# Altium PCB LimeKEY-RPCM_1v1.PcbDoc (part 3 of 8) (continued)
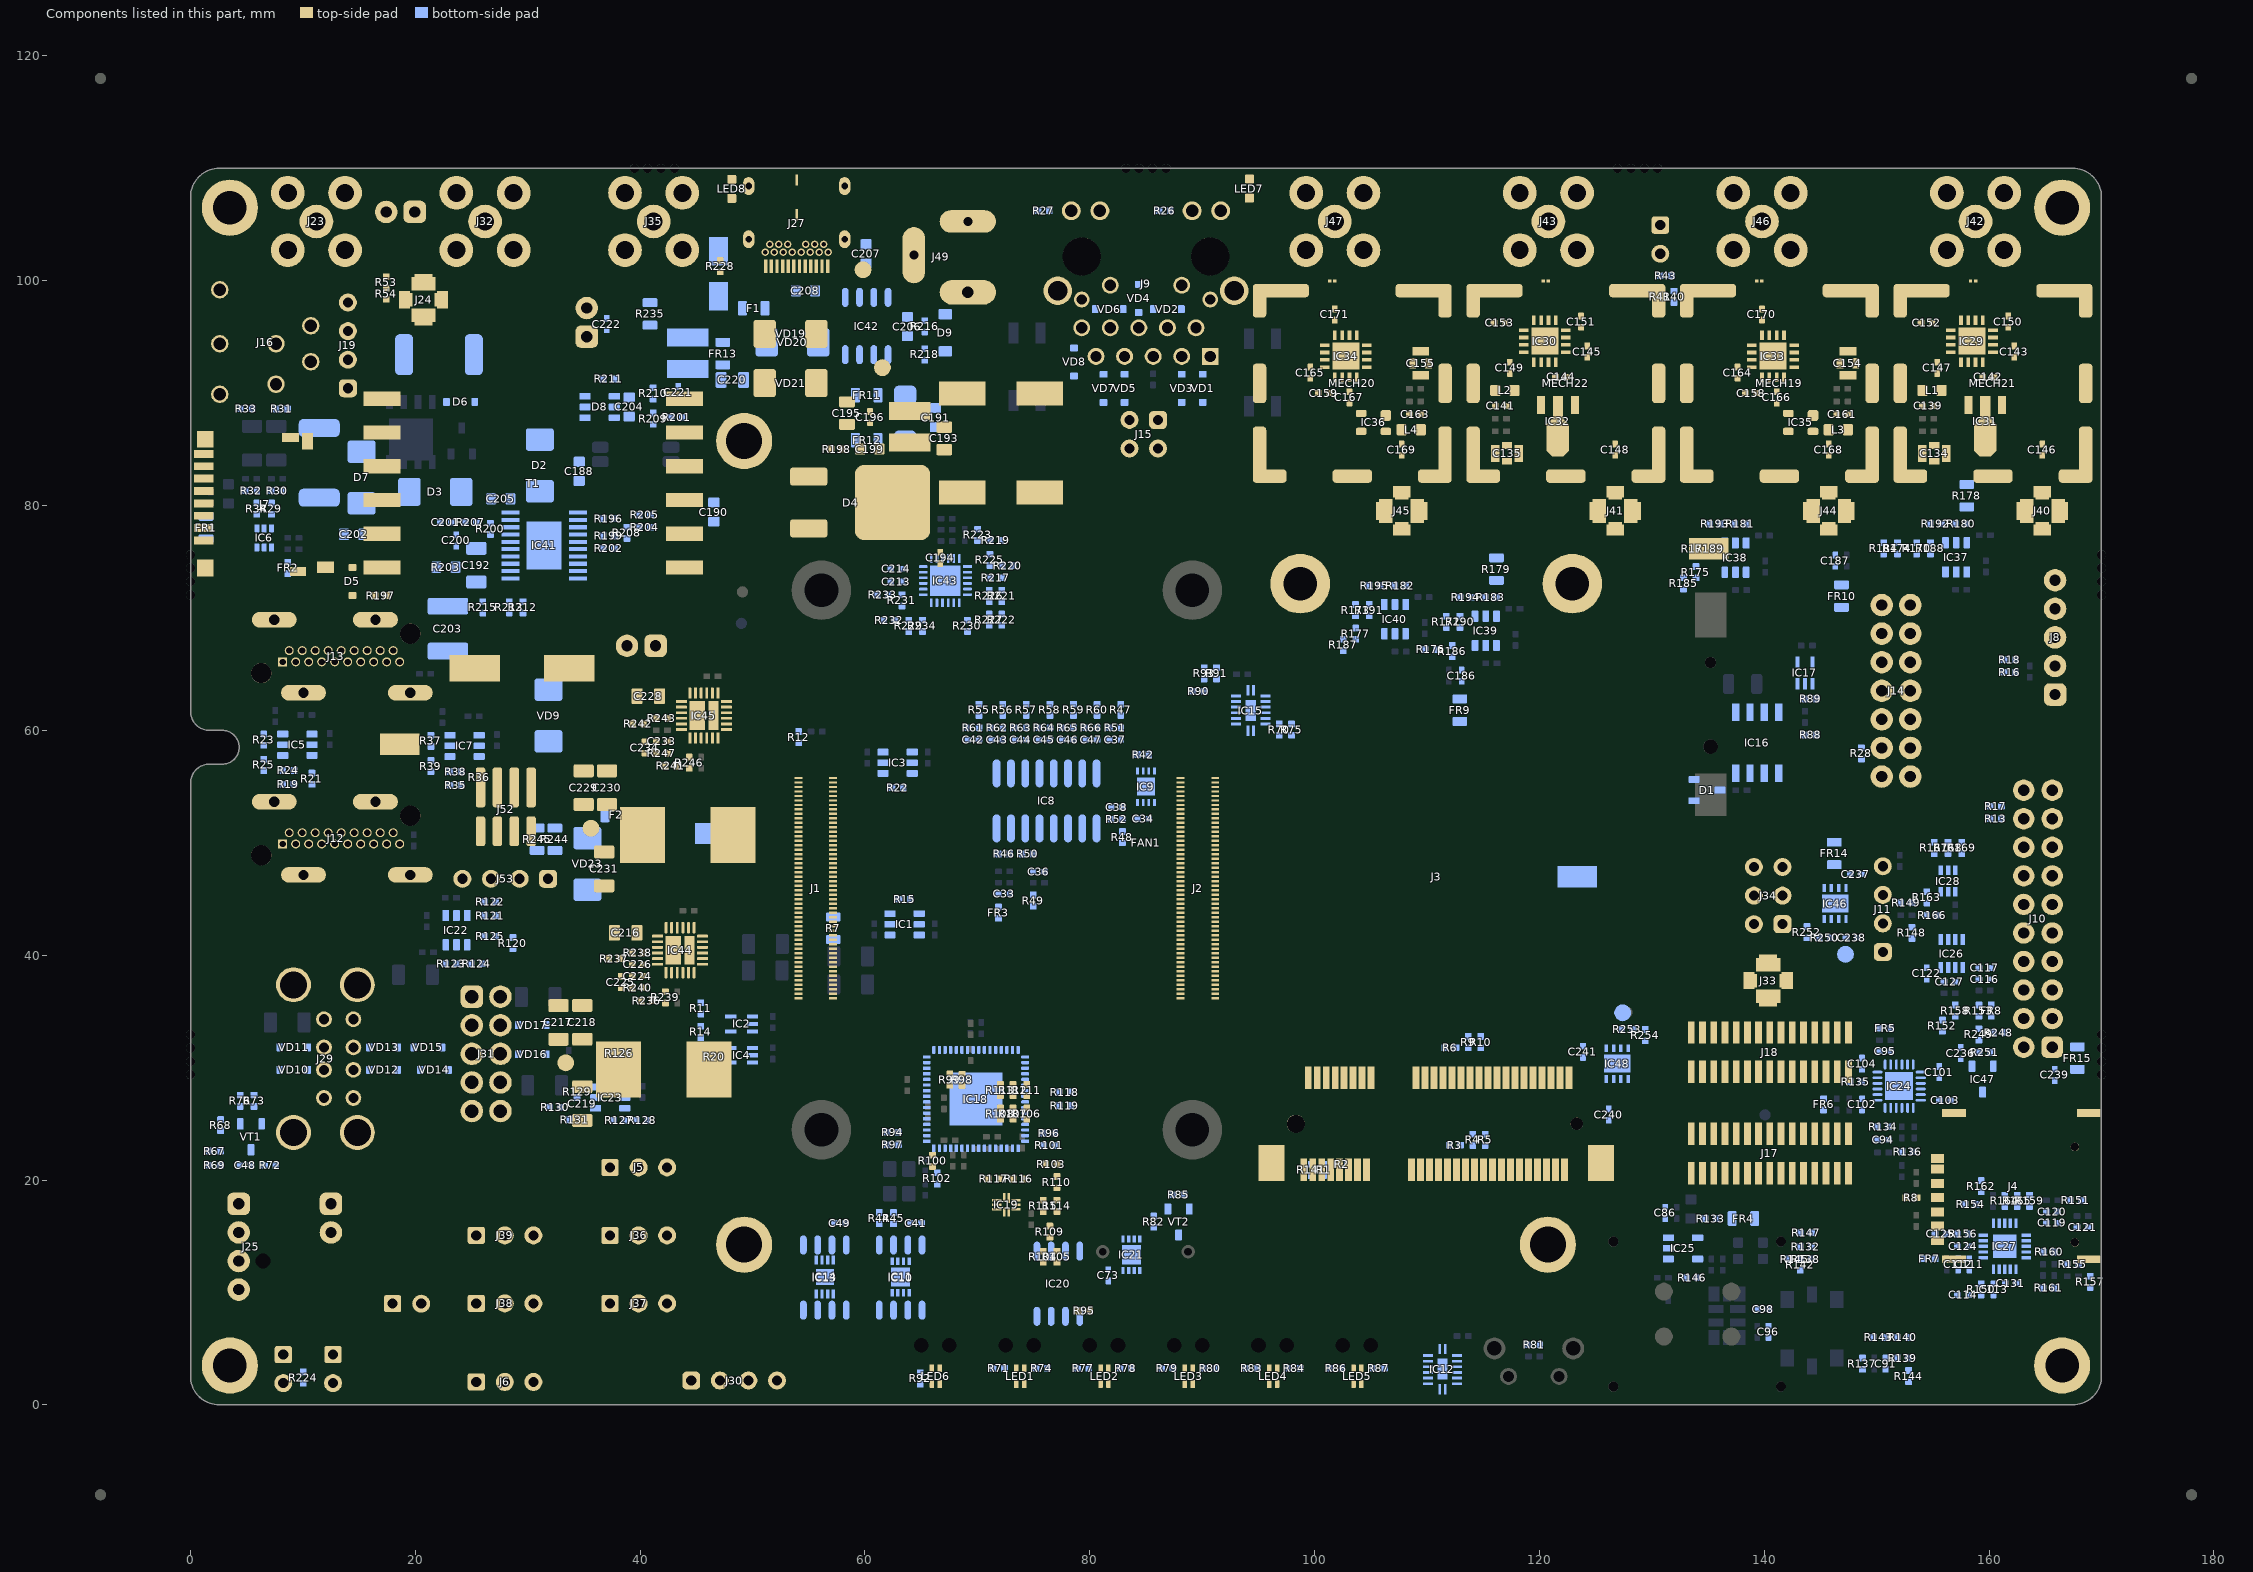
[diagram p7: the components of this part, seen from the top]
## Part data (continued)
J20 J21 J28 J48: library part Jumper, Color=Black, Manufacturer=3M, Manufacturer Part Number 1=961102-6404-AR, Supplier Part Number 1=3M9447-ND, Category="Connectors, Interconnects", Connector Type="Header, Unshrouded", Contact Finish=Gold, Contact Type="Male Pin", Mounting Type="Through Hole", Part Description="2 Positions Header, Unshrouded Connector 0.100\" (2.54mm) Through Hole Gold", Supplier 1=Digi-Key
  J20 J21: Assembly Info=NF
J22 J26 J50 J51: library part "Header 2X1 LOCK", Manufacturer=Molex, Manufacturer Part Number=22-11-2026, Supplier Part Number 1=WM19460-ND, ComponentLink1Description=https://datasheet.ciiva.com/5156/022045042-sd-206842-5156139.pdf?src-supplier=Mouser, ComponentLink1URL=https://datasheet.ciiva.com/5156/022045042-sd-206842-5156139.pdf?src-supplier=Mouser, ComponentLink2Description=https://datasheet.ciiva.com/30212/022232051-sd-30212109.pdf?src-supplier=Onlinecomponents.com, ComponentLink2URL=https://datasheet.ciiva.com/30212/022232051-sd-30212109.pdf?src-supplier=Onlinecomponents.com, Manufacturer 1=Molex, Manufacturer Part Number 1=22-11-2026, Part Description="Connector Header Through Hole 2 position 0.100\" (2.54mm)", RoHS=Yes, Stock 1=0, Supplier 1=Digi-Key
  J22: Assembly Info=NF
J23 J32 J35 J42 J43 J46 J47: library part RF_IF_connector, "CONN SMA JACK STR 50OHM EDGE MNT", Manufacturer=Linx, Manufacturer Part Number 1=CONSMA002-L-G, Supplier Part Number 1=CONSMA002-L-G-ND, Part Description="SMA Connector Receptacle, Female Socket 50Ohm Panel Mount, Through Hole, Right Angle Solder", Pricing 1="1=4.08, 25=3.67, 100=3.32, 250=3.25, 500=3, 1000=2.80001, 2000=2.5875 (USD)", Stock 1=815, Supplier 1=Digi-Key
J24 J33 J40 J41 J44 J45: library part RF_IF_connector, "CONN UMC RCPT STR 50 OHM SMD", Dielectric Material="Liquid Crystal Polymer (LCP)", Frequency - Max=6GHz, Housing Color=Silver, Manufacturer="Molex, LLC", Manufacturer Part Number 1=0734120110, Operating Temperature="-40°C ~ 90°C", Supplier Part Number 1=WM5587CT-ND, Voltage Rating=60V, Body Finish=Nickel, Body Material="Phosphor Bronze", Cable Group=-, Category="Connectors, Interconnects", Center Contact Material=Brass, Center Contact Plating=Gold, Connector Style="Ultra Miniature Coaxial", Connector Type="Jack, Male Pin", Contact Termination=Solder, Fastening Type=Snap-On, Features=-, Impedance="50 Ohm", Ingress Protection=-, Mounting Type="Surface Mount", Packaging="Cut Tape (CT)", Part Description="CONN UMC RCPT STR 50 OHM SMD", RoHS="RoHS Compliant", Shield Termination=Solder, Supplier 1=Digi-Key
J25: library part "Header 4X1 LOCK", Manufacturer=Molex, Manufacturer Part Number 1=47053-1000, Supplier Part Number 1=WM4330-ND, ComponentLink1Description=https://datasheet.ciiva.com/22683/1701278-22683428.pdf?src-supplier=Element14, ComponentLink1URL=https://datasheet.ciiva.com/22683/1701278-22683428.pdf?src-supplier=Element14, ComponentLink2Description=https://datasheet.ciiva.com/30226/191140470531000-pcb-headers-30226282.pdf?src-supplier=Onlinecomponents.com, ComponentLink2URL=https://datasheet.ciiva.com/30226/191140470531000-pcb-headers-30226282.pdf?src-supplier=Onlinecomponents.com, ComponentLink3Description=https://datasheet.ciiva.com/5153/0470531000-pcb-headers-146351-5153461.pdf?src-supplier=Mouser, ComponentLink3URL=https://datasheet.ciiva.com/5153/0470531000-pcb-headers-146351-5153461.pdf?src-supplier=Mouser, ComponentLink4Description=https://datasheet.ciiva.com/10090/0470531000-pcb-headers-10090525.pdf?src-supplier=Avnet, ComponentLink4URL=https://datasheet.ciiva.com/10090/0470531000-pcb-headers-10090525.pdf?src-supplier=Avnet, Manufacturer 1=Molex, Part Description="Connector Header Through Hole 4 position 0.100\" (2.54mm)", Pricing 1="1=0,56000, 10=0,47100, 100=0,36650, 1000=0,28797, 5000=0,25307, 10000=0,23561 (USD)", RoHS=Yes, Stock 1=76671, Supplier 1=Digi-Key
J27: library part DUAL_USB-C_632723100011, Manufacturer="Wurth Electronics", Manufacturer Part Number 1=632723100011, Supplier Part Number 1=732-9617-1-ND, ComponentLink1Description=http://www.alliedelec.com/m/d/e03b7b5d71e2d3e369c52d5c8eaca2b6.pdf?src-supplier=Allied+Electronics, ComponentLink1URL=http://www.alliedelec.com/m/d/e03b7b5d71e2d3e369c52d5c8eaca2b6.pdf?src-supplier=Allied+Electronics, ComponentLink2Description=http://www.jae.com/z-en/pdf_download_exec.cfm?param=SJ115995.pdf&src-supplier=Digi-Key, ComponentLink2URL=http://www.jae.com/z-en/pdf_download_exec.cfm?param=SJ115995.pdf&src-supplier=Digi-Key, ComponentLink3Description=https://www.mouser.com/ds/2/445/632723x00011-782157.pdf?src-supplier=Mouser, ComponentLink3URL=https://www.mouser.com/ds/2/445/632723x00011-782157.pdf?src-supplier=Mouser, ComponentLink4Description=https://katalog.we-online.de/em/datasheet/632723x00011.pdf?src-supplier=Digi-Key, ComponentLink4URL=https://katalog.we-online.de/em/datasheet/632723x00011.pdf?src-supplier=Digi-Key, Connector Type=USB, Gender=Receptacle, Mount="Surface Mount,Through Hole", Number of Contacts=24, Packaging="Tape and Reel", Part Description="USB - C (Type - C) USB 3.1 (USB 3.1 Gen 2, Superspeed+) Receptacle Connector 24 Position Surface Mount, Right Angle; Through Hole", Pricing 1="1=4,10000, 10=3,80000, 50=3,20000, 100=2,95000 (USD)", RoHS=Yes, Stock 1=1127, Supplier 1=Digi-Key
J29: library part USB_typeA_double_USBR-A-D-F-O-TH, Manufacturer=Samtec, Manufacturer Part Number 1=USBR-A-D-F-O-TH, Max Operating Temperature=85°C, Max Voltage Rating (AC)=30V, Min Operating Temperature=-50°C, Supplier Part Number 1=SAM10376-ND, Contact Material=Bronze, Contact Plating=Gold, Gender=Female, Housing Material=Thermoplastic, Mount="Through Hole", Number of Contacts=4, Number of Ports=1, Number of Terminals=4, Orientation="Right Angle", Packaging=Bulk, Part Description="USB - A USB 2.0 Receptacle Connector 8 Position Through Hole, Right Angle", Pricing 1="1=1.6, 10=1.448, 25=1.3592, 50=1.3002, 100=1.2411, 250=1.12292, 500=1.03426, 1000=0.8865, 2500=0.8274 (USD)", Radiation Hardening=No, Stock 1=2359, Supplier 1=Digi-Key, Termination=Solder
J31: Housing Color=Black, Manufacturer=Samtec, Manufacturer Part Number 1=TSW-105-07-G-D-009, Max Current Rating=7.6A, Max Operating Temperature=125°C, Max Voltage Rating (AC)=550V, Min Operating Temperature=-55°C, Supplier Part Number 1=TSW-105-07-G-D-009-ND, ComponentLink1Description=https://datasheet.ciiva.com/2944/702461003-sd-2944145.pdf?src-supplier=Digi-Key, ComponentLink1URL=https://datasheet.ciiva.com/2944/702461003-sd-2944145.pdf?src-supplier=Digi-Key, ComponentLink2Description=https://datasheet.ciiva.com/29948/702465002-sd-29948508.pdf?src-supplier=Avnet, ComponentLink2URL=https://datasheet.ciiva.com/29948/702465002-sd-29948508.pdf?src-supplier=Avnet, ComponentLink3Description=http://components.arrow.com/part/dataview/43869876S7787377N1004?src-supplier=Arrow+Electronics, ComponentLink3URL=http://components.arrow.com/part/dataview/43869876S7787377N1004?src-supplier=Arrow+Electronics, Contact Material=Bronze, Contact Plating=Gold, Depth=5.08mm, Gender=Male, Housing Material=Polyester, Length=12.7mm, Number of Rows=2, Orientation=Straight, Packaging=Bulk, Part Description="CONN HEADER VERT 10POS 2.54MM", Pitch=2.54mm, Pricing 1="1=2,02000, 10=1,75600, 100=1,56950, 500=1,30796, 1000=1,12110, 5000=0,99404, 10000=0,97162 (USD)", RoHS=Yes, RoHS Compliant=Yes, Stock 1=169, Supplier 1=Digi-Key, Termination=Solder
J34: "Header, 2-Pin, Dual row", Manufacturer="Adam Equipment", Manufacturer Part Number=PH2-06-UA, Supplier Part Number 1=2057-PH2-06-UA-ND, ComponentLink1Description=http://uk.rs-online.com/webdocs/1406/0900766b81406898.pdf, ComponentLink1URL=http://uk.rs-online.com/webdocs/1406/0900766b81406898.pdf, ComponentLink2Description=https://www.verical.com/server-webapp/html/getDatasheet?partID=483857, ComponentLink2URL=https://www.verical.com/server-webapp/html/getDatasheet?partID=483857, ComponentLink3Description=http://www.farnell.com/cad/112195.pdf, ComponentLink3URL=http://www.farnell.com/cad/112195.pdf, ComponentLink4Description=https://datasheet.ciiva.com/16479/page-292-295-16479745.pdf?src-supplier=Future+Electronics, ComponentLink4URL=https://datasheet.ciiva.com/16479/page-292-295-16479745.pdf?src-supplier=Future+Electronics, Lead Free="Lead Free", Manufacturer 1="Adam Equipment", Manufacturer Part Number 1=PH2-06-UA, Part Description="Connector Header Through Hole 6 position 0.100\" (2.54mm)", Pricing 1="1=0,13000, 10=0,10400, 100=0,07640, 500=0,06326, 1000=0,05535, 5000=0,04744, 10000=0,04612 (USD)", RoHS=Yes, Stock 1=59749, Supplier 1=Digi-Key
J49: "Power Connector, THT, 2.1mm ID, 5.5mm OD", Color=Black, Current Rating=2.5A, Flammability Rating="UL94 V-0", Insulation Resistance=50MR, Manufacturer=CUI, Manufacturer Part Number 1=PJ-002A, Max Operating Temperature=85°C, Min Operating Temperature=-25°C, Package Quantity=500, Supplier Part Number 1=CP-002A-ND, Voltage Rating=24V, ComponentLink1Description=https://www.verical.com/server-webapp/html/getDatasheet?partID=110865, ComponentLink1URL=https://www.verical.com/server-webapp/html/getDatasheet?partID=110865, ComponentLink2Description=http://www.switchcraft.com/Documents/Jack_Schematics.pdf, ComponentLink2URL=http://www.switchcraft.com/Documents/Jack_Schematics.pdf, Connector Type=Jack, Contact Gender=Male, Contact Material="Copper,Copper Alloy", Contact Plating=Nickel,Tin, Diameter=2.1mm, Gender=Male, Housing Color=Black, Housing Material=Thermoplastic, Lead Free="Lead Free", Mount="Through Hole", Number of Conductors=2, Orientation=Horizontal, Packaging=Bulk, Part Description="Power Barrel Connector Jack 2.10mm ID (0.083\"), 5.50mm OD (0.217\") Through Hole, Right Angle", Pricing 1="1 = 0,60000, 10 = 0,55800, 25 = 0,50240, 50 = 0,44640, 100 = 0,42780, 250 = 0,39060, 500 = 0,37200, 1000 = 0,30690, 2500 = 0,27900 (USD)", RoHS=Yes, Shielding=Unshielded, Stock 1=181439, Supplier 1=Digi-Key, Termination="Through Hole"
J52: library part Header4P, "Header, 4-pin", Manufacturer=Molex, Manufacturer Part Number=0874370443, Supplier Part Number 1=WM7664CT-ND, ComponentLink1Description=http://katalog.we-online.de/em/datasheet/6130xx11121.pdf, ComponentLink1URL=http://katalog.we-online.de/em/datasheet/6130xx11121.pdf, ComponentLink2Description=https://datasheet.ciiva.com/6813/874370443-sd-6813714.pdf?src-supplier=Digi-Key, ComponentLink2URL=https://datasheet.ciiva.com/6813/874370443-sd-6813714.pdf?src-supplier=Digi-Key, ComponentLink3Description=https://datasheet.ciiva.com/3935/197970874370443-pcb-headers-3935892.pdf?src-supplier=Arrow+Electronics, ComponentLink3URL=https://datasheet.ciiva.com/3935/197970874370443-pcb-headers-3935892.pdf?src-supplier=Arrow+Electronics, ComponentLink4Description=https://datasheet.ciiva.com/6813/874370443-sd-6813717.pdf?src-supplier=Digi-Key, ComponentLink4URL=https://datasheet.ciiva.com/6813/874370443-sd-6813717.pdf?src-supplier=Digi-Key, ComponentLink5Description=https://datasheet.ciiva.com/6813/874370443-sd-6813721.pdf?src-supplier=Digi-Key, ComponentLink5URL=https://datasheet.ciiva.com/6813/874370443-sd-6813721.pdf?src-supplier=Digi-Key, Manufacturer 1=Molex, Manufacturer Part Number 1=0874370443, Part Description="Connector Header Surface Mount 4 position 0.059\" (1.50mm)", Pricing 1="1=0,72000, 10=0,61200, 100=0,47560 (USD)", RoHS=Yes, Stock 1=30818, Supplier 1=Digi-Key
L1 L2 L3 L4: library part Inductor, Case/Package=0603, Case Code (Metric)=1608, Current=400mA, Current Rating=500mA, DC Resistance (DCR)=170mR, Inductance=22nH, Inductance Tolerance=2%, Manufacturer=Murata, Manufacturer Part Number 1=LQW18AN22NG00D, Max Operating Temperature=125°C, Min Operating Temperature=-55°C, Package Quantity=4000, Resistor Type=Wirewound, Self Resonant Frequency=4.6GHz, Supplier Part Number 1=490-6874-1-ND, Test Frequency=100MHz, Case Code (Imperial)=0603, ComponentLink1Description=http://productfinder.pulseeng.com/products/datasheets/WC701.pdf, ComponentLink1URL=http://productfinder.pulseeng.com/products/datasheets/WC701.pdf, ComponentLink2Description=https://datasheet.ciiva.com/11799/0900766b80a002db-11799279.pdf?src-supplier=RSComponents, ComponentLink2URL=https://datasheet.ciiva.com/11799/0900766b80a002db-11799279.pdf?src-supplier=RSComponents, ComponentLink3Description=https://datasheet.ciiva.com/14124/qhlqw18a-data-e-14124619.pdf?src-supplier=Distrelec, ComponentLink3URL=https://datasheet.ciiva.com/14124/qhlqw18a-data-e-14124619.pdf?src-supplier=Distrelec, ComponentLink4Description=https://datasheet.ciiva.com/6705/l0075s0080lqw18a-00-6705627.pdf?src-supplier=Digi-Key, ComponentLink4URL=https://datasheet.ciiva.com/6705/l0075s0080lqw18a-00-6705627.pdf?src-supplier=Digi-Key, ComponentLink5Description=https://datasheet.ciiva.com/6705/l0075s0080lqw18a-00-6705626.pdf?src-supplier=Digi-Key, ComponentLink5URL=https://datasheet.ciiva.com/6705/l0075s0080lqw18a-00-6705626.pdf?src-supplier=Digi-Key, ComponentLink6Description=https://datasheet.ciiva.com/6705/l0075s0080lqw18a-00-6705631.pdf?src-supplier=Digi-Key, ComponentLink6URL=https://datasheet.ciiva.com/6705/l0075s0080lqw18a-00-6705631.pdf?src-supplier=Digi-Key, ComponentLink7Description=https://datasheet.ciiva.com/4977/product-4977173.pdf?src-supplier=Mouser, ComponentLink7URL=https://datasheet.ciiva.com/4977/product-4977173.pdf?src-supplier=Mouser, ComponentLink8Description=https://datasheet.ciiva.com/46391/1487239-46391853.pdf?src-supplier=Element14, ComponentLink8URL=https://datasheet.ciiva.com/46391/1487239-46391853.pdf?src-supplier=Element14, ComponentLink9Description=https://datasheet.ciiva.com/8507/l0075s0080lqw18a-00-8507496.pdf?src-supplier=Avnet, ComponentLink9URL=https://datasheet.ciiva.com/8507/l0075s0080lqw18a-00-8507496.pdf?src-supplier=Avnet, Core Material=Non-Magnetic, DC Current=500mA, Depth=1mm, Height=0.8mm, Height - Seated (Max)=0.039inch, Lead Free="Lead Free", Length=1.6mm, Max DC Current=500mA, Military Standard=Not, Mount="Surface Mount", Number of Pins=2, Packaging="Tape and Reel", Part Description="Fixed Inductors 22 NH 2%", Pricing 1="1=0,18000, 10=0,16300, 25=0,14520, 50=0,12340, 100=0,10890, 250=0,09984, 500=0,09076, 1000=0,07623 (USD)", Q Factor=40, Rated Current-Max=500mA, REACH SVHC="No SVHC", RoHS=Yes, RoHS Compliant=Yes, Series=LQW18A_00, Series Resistance=170mR, Shielding=Unshielded, Stock 1=60315, Supplier 1=Digi-Key, Termination=SMD/SMT, Tolerance=2%, Weight=0.000106oz, Width=0.8mm
L5 L6: library part Inductor_0603, Case/Package=Nonstandard, Current Rating=3.2A, DC Resistance (DCR)=32.4mR, Inductance=1uH, Inductance Tolerance=30%, Manufacturer="Taiyo Yuden", Manufacturer Part Number 1=NRS4018T1R0NDGJ, Max DC Current=4A, Max Operating Temperature=125°C, Min Operating Temperature=-25°C, Package Quantity=3500, Resistor Type=Wirewound, Self Resonant Frequency=90MHz, Supplier Part Number 1=587-2888-1-ND, Test Frequency=100kHz, ComponentLink1Description=https://www.yuden.co.jp/productdata/catalog/en/wound04_e.pdf, ComponentLink1URL=https://www.yuden.co.jp/productdata/catalog/en/wound04_e.pdf, ComponentLink2Description=http://uk.rs-online.com/webdocs/10b3/0900766b810b3cd2.pdf, ComponentLink2URL=http://uk.rs-online.com/webdocs/10b3/0900766b810b3cd2.pdf, ComponentLink3Description=https://datasheet.ciiva.com/1043/nrs4018t1r0ndgj-ss-1043587.pdf?src-supplier=Digi-Key, ComponentLink3URL=https://datasheet.ciiva.com/1043/nrs4018t1r0ndgj-ss-1043587.pdf?src-supplier=Digi-Key, ComponentLink4Description=https://datasheet.ciiva.com/25607/0900766b810b3cd2-25607942.pdf?src-supplier=RSComponents, ComponentLink4URL=https://datasheet.ciiva.com/25607/0900766b810b3cd2-25607942.pdf?src-supplier=RSComponents, ComponentLink5Description=https://datasheet.ciiva.com/8504/nrs4018t1r0ndgj-ss-8504305.pdf?src-supplier=Avnet, ComponentLink5URL=https://datasheet.ciiva.com/8504/nrs4018t1r0ndgj-ss-8504305.pdf?src-supplier=Avnet, Core Material=Ferrite, Depth=4.2mm, Halogen Free="Halogen Free", Height=1.8mm, Height - Seated (Max)=0.071inch, Lead Free="Lead Free", Lead Pitch=2.8mm, Length=4mm, Mount="Surface Mount", Number of Pins=2, Packaging="Cut Tape", Part Description="1 µH Shielded Drum Core, Wirewound Inductor 3.2 A 32.4mOhm Max Nonstandard", Pricing 1="1=0,27000, 10=0,23800, 25=0,20840, 50=0,17860, 100=0,16370, 250=0,14884, 500=0,13990, 1000=0,10716 (USD)", Radiation Hardening=No, REACH SVHC=Unknown, RMS Current (Irms)=3.2A, RoHS=Yes, RoHS Compliant=Yes, Saturation Current=4A, Series=NRS, Shielding=Shielded, Stock 1=277625, Supplier 1=Digi-Key, Termination=SMD/SMT, Tolerance=30%, Width=0.157inch
L7: library part Inductor_0603, Current - Saturation=25.6A, Current Rating=12A, DC Resistance (DCR)="9 mOhm Max", Frequency - Self Resonant=-, Frequency - Test=100kHz, Manufacturer="Vishay Dale", Manufacturer Part Number 1=IHLP4040DZER2R2M01, Operating Temperature="-55°C ~ 125°C", Package / Case=Nonstandard, Supplier Part Number 1=541-1299-1-ND, Tolerance=±20%, Category="Inductors, Coils, Chokes", Height - Seated (Max)="0.158\" (4.00mm)", Inductance=2.2µH, Material - Core=-, Mounting Type="Surface Mount", Packaging="Cut Tape (CT)", Part Description="2.2µH Shielded Molded Inductor 12A 9 mOhm Max Nonstandard", Q @ Freq=-, RoHS="RoHS Compliant", Shielding=Shielded, Size / Dimension="0.430\" L x 0.405\" W (10.92mm x 10.30mm)", Supplier 1=Digi-Key, Supplier Device Package=-, Type=Molded
L8: library part Inductor_0603, Current - Saturation=18.6A, Current Rating=10A, DC Resistance (DCR)="14.4 mOhm Max", Frequency - Self Resonant=-, Frequency - Test=100kHz, Manufacturer="Vishay Dale", Manufacturer Part Number 1=IHLP4040DZER3R3M01, Operating Temperature="-55°C ~ 125°C", Package / Case=Nonstandard, Supplier Part Number 1=541-1298-1-ND, Tolerance=±20%, Category="Inductors, Coils, Chokes", Height - Seated (Max)="0.158\" (4.00mm)", Inductance=3.3µH, Material - Core=-, Mounting Type="Surface Mount", Packaging="Cut Tape (CT)", Part Description="3.3µH Shielded Molded Inductor 10A 14.4 mOhm Max Nonstandard", Q @ Freq=-, RoHS="RoHS Compliant", Shielding=Shielded, Size / Dimension="0.430\" L x 0.405\" W (10.92mm x 10.30mm)", Supplier 1=Digi-Key, Supplier Device Package=-, Type=Molded
LED1 LED2 LED3 LED4 LED5 LED6: library part LED_green_red_SMD, Color="Green, Red", Current - Test=20mA, Lens Color=White, Manufacturer="Avago Technologies US Inc.", Manufacturer Part Number 1=HSMF-C165, Millicandela Rating="15mcd Green, 10mcd Red", Package / Case="0603 (1608 Metric)", Supplier Part Number 1=516-1419-1-ND, Voltage - Forward (Vf) (Typ)="2.2V Green, 1.95V Red", Category=Optoelectronics, Height (Max)=0.50mm, Lens Style/Size="Rectangle with Flat Top, 1.60mm x 0.80mm", Lens Transparency=Diffused, Mounting Type="Surface Mount", Packaging="Cut Tape (CT)", Part Description="LED GREEN/RED DIFFUSED 0603 SMD", RoHS="RoHS Compliant", Size / Dimension="1.60mm L x 0.80mm W", Supplier 1=Digi-Key, Viewing Angle=120°, Wavelength - Dominant="572nm Green, 621nm Red", Wavelength - Peak="570nm Green, 636nm Red"
LED7: Color=Green, Current - Test=20mA, Manufacturer="Avago Technologies US Inc.", Manufacturer Part Number 1=HSMG-C190, Package / Case="0603 (1608 Metric)", Supplier Part Number 1=516-1425-2-ND, Voltage - Forward (Vf) (Typ)=2.2V, Assembly Info=NF, Category=Optoelectronics, Part Description="Green 572nm LED Indication - Discrete 2.2V 0603 (1608 Metric)", Supplier 1=Digi-Key
LED8: library part LED_green, Current - Test=20mA, Manufacturer="Avago Technologies US Inc.", Manufacturer Part Number 1=HSMG-C190, Package / Case="0603 (1608 Metric)", Supplier Part Number 1=516-1425-2-ND, Voltage - Forward (Vf) (Typ)=2.2V, Assembly Info=NF, Category=Optoelectronics, Color=Green, Part Description="Green 572nm LED Indication - Discrete 2.2V 0603 (1608 Metric)", Supplier 1=Digi-Key
MECH13 MECH14 MECH15 MECH16 MECH17 MECH18: library part LIGHT_PIPE_RIGHT_ANGLE_SLP3-200-100-F, Manufacturer=Bivar, Manufacturer Part Number 1=SLP3-200-100-F, Supplier Part Number 1=492-1865-ND, ComponentLink1Description=https://datasheet.ciiva.com/1535/1760190-1535004.pdf?src-supplier=Element14, ComponentLink1URL=https://datasheet.ciiva.com/1535/1760190-1535004.pdf?src-supplier=Element14, ComponentLink2Description=https://datasheet.ciiva.com/48976/70536303-48976693.pdf?src-supplier=Allied+Electronics, ComponentLink2URL=https://datasheet.ciiva.com/48976/70536303-48976693.pdf?src-supplier=Allied+Electronics, ComponentLink3Description=https://datasheet.ciiva.com/18526/slp3-xxx-xxx-x-18526910.pdf?src-supplier=Digi-Key, ComponentLink3URL=https://datasheet.ciiva.com/18526/slp3-xxx-xxx-x-18526910.pdf?src-supplier=Digi-Key, Part Description="Light Pipe Single Clear Rigid Board Mount, Press Fit, Right Angle", Pricing 1="1=0,70000, 10=0,45900, 100=0,30340, 1000=0,23424, 2000=0,21167, 5000=0,19755, 10000=0,19050, 25000=0,18768 (USD)", RoHS=Yes, Stock 1=11458, Supplier 1=Digi-Key
MECH19 MECH20 MECH21 MECH22: library part RF_SHIELD_FRAME_16P5x16P5_2118716-2, Manufacturer="TE Connectivity", Manufacturer Part Number 1=2118716-2, Supplier Part Number 1=A126152CT-ND, ComponentLink1Description=https://www.te.com/commerce/DocumentDelivery/DDEController?Action=srchrtrv&DocNm=2118716&DocType=Customer+Drawing&DocLang=English&src-supplier=Digi-Key, ComponentLink1URL=https://www.te.com/commerce/DocumentDelivery/DDEController?Action=srchrtrv&DocNm=2118716&DocType=Customer+Drawing&DocLang=English&src-supplier=Digi-Key, Part Description="RF Shield Frame 0.650\" (16.50mm) X 0.650\" (16.50mm) Surface Mount", Pricing 1="1=0,93000, 10=0,81600, 25=0,76680, 100=0,62570, 250=0,58120 (USD)", RoHS=Yes, Stock 1=26553, Supplier 1=Digi-Key
MECH23 MECH24 MECH25 MECH26: library part RF_SHIELD_COVER_16P9x16P9_2118715-2, Manufacturer="TE Connectivity", Manufacturer Part Number 1=2118715-2, Supplier Part Number 1=A126120-ND, ComponentLink1Description=https://www.te.com/commerce/DocumentDelivery/DDEController?Action=srchrtrv&DocNm=2118716&DocType=Customer+Drawing&DocLang=English&src-supplier=Digi-Key, ComponentLink1URL=https://www.te.com/commerce/DocumentDelivery/DDEController?Action=srchrtrv&DocNm=2118716&DocType=Customer+Drawing&DocLang=English&src-supplier=Digi-Key, ComponentLink2Description=https://www.te.com/commerce/DocumentDelivery/DDEController?Action=srchrtrv&DocNm=2118715&DocType=Customer+Drawing&DocLang=English&src-supplier=Digi-Key, ComponentLink2URL=https://www.te.com/commerce/DocumentDelivery/DDEController?Action=srchrtrv&DocNm=2118715&DocType=Customer+Drawing&DocLang=English&src-supplier=Digi-Key, Part Description="RF Shield Cover 0.665\" (16.90mm) X 0.665\" (16.90mm) Vented Surface Mount", Pricing 1="1=1,44000, 10=1,28900, 25=1,22400, 100=1,00530, 250=0,93972, 500=0,83046, 1000=0,65562, 2500=0,61191, 5000=0,58132 (USD)", RoHS=Yes, Stock 1=58094, Supplier 1=Digi-Key
MECH30 MECH31 MECH32 MECH33: library part "STANDOFF_M-F_THREADED_M3x8x10mm_HEX_5mm dia", "STANDOFF M/F MET 5MM HEX 10MM L", Colour=natural, Manufacturer=FIX&FASTEN, Manufacturer Part Number 1=FIX-MAE-5TV, Category="Plastic Pegs", Internal thread=M3, Material=polyamide, MinAmount=10, Multiples=10, Panel cutout diameter=3mm, Part Description="PCB distance; polyamide; L:5mm; Colour: natural; ¨cutout:3mm", Price Type=NET, Spacer length=5mm, Spanner size=5.5mm, SuppliedAmount=1000, Supplier 1=TME, Supplier Part Number 1=FIX-MAE-5TV, Thread pitch=0,5, Type of spacer="PCB distance", Unit=pcs, Weight=0.145
R1 R2 R3 R4 R5 R6 R8 R9 R10 R14 R15 R16 R18 R19 R20 R23 R28 R35 R37 R40 R41 R49 R53 R54 R67 R68 R69 R72 R73 R76 R82 R91 R93 R94 R97 R99 R104 R105 R109 R110 R116 R117 R118 R119 R120 R121 R122 R123 R125 R126 R127 R128 R129 R131 R132 R133 R134 R135 R137 R138 R139 R140 R141 R142 R144 R145 R146 R147 R149 R152 R157 R170 R171 R172 R173 R180 R181 R182 R183 R207 R232 R233 R249 R251: library part Res_0402, Manufacturer=Yageo, Manufacturer Part Number 1=RC0402JR-070RL, Operating Temperature="-55°C ~ 155°C", Package / Case="0402 (1005 Metric)", Power (Watts)="0.063W, 1/16W", Resistance (Ohms)=0.0, Supplier Device Package=0402, Supplier Part Number 1=311-0.0JRTR-ND, Temperature Coefficient=-, Tolerance=Jumper, Category=Resistors, Composition="Thick Film", Features="Moisture Resistant", Height="0.016\" (0.40mm)", Number of Terminations=2, Packaging="Tape & Reel (TR)", Part Description="RES SMD 0.0OHM JUMPER 1/16W 0402", RoHS="RoHS Compliant", Size / Dimension="0.039\" L x 0.020\" W (1.00mm x 0.50mm)", Supplier 1=Digi-Key
  R1 R3 R6 R8 R9 R10 R14 R15 R16 R19 R20 R23 R28 R35 R37 R41 R49 R53 R67 R69 R72 R76 R82 R93 R104 R109 R116 R117 R120 R121 R123 R126 R127 R129 R137 R138 R139 R140 R142 R144 R145 R146 R147 R152 R170 R171 R172 R173 R180 R181 R182 R183 R249 R251: Assembly Info=NF
R11 R70 R75 R90 R174 R175 R176 R177 R184 R185 R186 R187 R238 R243: library part Res_0402, Case/Package=SMD/SMT, Manufacturer=Vishay, Manufacturer Part Number 1=CRCW0402100KFKEDC, Max Operating Temperature=155°C, Min Operating Temperature=-55°C, Power Rating=62.5mW, Resistance=100kR, Resistor Type="Thick Film", Supplier Part Number 1=541-3960-6-ND, Temperature Coefficient=100ppm/°C, Tolerance=1%, ComponentLink1Description=http://www.vishay.com/docs/28773/crcwce3.pdf?src-supplier=Digi-Key, ComponentLink1URL=http://www.vishay.com/docs/28773/crcwce3.pdf?src-supplier=Digi-Key, Contact Plating=Tin, Lead Free="Lead Free", Length=1mm, Mount="Surface Mount", Part Description="100 kOhms ±1% 0.063W, 1/16W Chip Resistor 0402 (1005 Metric) Thick Film", Pricing 1="1=0,10000, 10=0,03300, 100=0,01360, 1000=0,00610, 2500=0,00529, 5000=0,00437 (USD)", RoHS=Yes, RoHS Compliant=Yes, Stock 1=702107, Supplier 1=Digi-Key, Termination=Wraparound
  R75 R174 R175 R176 R177: Assembly Info=NF
R12 R21 R24 R36 R38 R42 R48 R50 R51 R52 R55 R56 R57 R58 R59 R60 R81 R95 R96 R98 R101 R106 R107 R108 R111 R112 R113 R158 R159 R160 R166 R188 R189 R190 R191 R216 R229 R230 R231 R234 R236: library part Res_0402, Manufacturer=Yageo, Manufacturer Part Number 1=RC0402FR-0710KL, Operating Temperature="-55°C ~ 155°C", Package / Case="0402 (1005 Metric)", Power (Watts)="0.063W, 1/16W", Resistance (Ohms)=10k, Supplier Device Package=0402, Supplier Part Number 1=311-10.0KLRTR-ND, Temperature Coefficient=±100ppm/°C, Tolerance=±1%, Category=Resistors, Composition="Thick Film", Features="Moisture Resistant", Height="0.016\" (0.40mm)", Number of Terminations=2, Packaging="Tape & Reel (TR)", Part Description="RES SMD 10K OHM 1% 1/16W 0402", RoHS="RoHS Compliant", Size / Dimension="0.039\" L x 0.020\" W (1.00mm x 0.50mm)", Supplier 1=Digi-Key
  R51 R52 R107 R111 R113 R166 R229 R231: Assembly Info=NF
R13 R17 R31 R33 R44 R45 R103 R114 R115 R215 R224 R228: library part Res_0402, Manufacturer="Stackpole Electronics Inc", Manufacturer Part Number 1=RMCF0402FT2K20, Operating Temperature="-55°C ~ 155°C", Package / Case="0402 (1005 Metric)", Power (Watts)="0.063W, 1/16W", Resistance (Ohms)=2.2k, Supplier Device Package=0402, Supplier Part Number 1=RMCF0402FT2K20CT-ND, Temperature Coefficient=±100ppm/°C, Tolerance=±1%, Category=Resistors, Composition="Thick Film", Features=-, Height="0.016\" (0.40mm)", Number of Terminations=2, Packaging="Cut Tape (CT)", Part Description="RES SMD 2.2K OHM 1% 1/16W 0402", RoHS="RoHS Compliant", Size / Dimension="0.039\" L x 0.020\" W (1.00mm x 0.50mm)", Supplier 1=Digi-Key
  R103 R215 R228: Assembly Info=NF
R22 R43 R85 R148 R154 R217 R223 R248 R253: library part Res_0402, Manufacturer="Stackpole Electronics Inc", Manufacturer Part Number 1=RMCF0402FT1K00, Operating Temperature="-55°C ~ 155°C", Package / Case="0402 (1005 Metric)", Power (Watts)="0.063W, 1/16W", Resistance (Ohms)=1k, Supplier Device Package=0402, Supplier Part Number 1=RMCF0402FT1K00TR-ND, Temperature Coefficient=±100ppm/°C, Tolerance=±1%, Category=Resistors, Composition="Thick Film", Height="0.016\" (0.40mm)", Number of Terminations=2, Part Description="RES SMD 1K OHM 1% 1/16W 0402", RoHS="RoHS Compliant", Size / Dimension="0.039\" L x 0.020\" W (1.00mm x 0.50mm)", Supplier 1=Digi-Key
  R22 R248: Assembly Info=NF, Features="Moisture Resistant", Packaging="Cut Tape (CT)"
  R43 R85 R217 R223: Features="Moisture Resistant", Packaging="Cut Tape (CT)"
  R148 R154 R253: Features=-, Packaging="Tape & Reel (TR)"
R25 R26 R27 R39 R124 R130 R155 R192 R193 R194 R195: library part Res_0402, Case/Package=0402, Case Code (Metric)=1005, Manufacturer=Yageo, Manufacturer Part Number 1=RC0402FR-07470RL, Max Operating Temperature=155°C, Max Power Dissipation=63mW, Min Operating Temperature=-55°C, Package Quantity=1, Power Rating=62.5mW, Resistance=470R, Resistance Tolerance=1%, Resistor Type="Thick Film", Supplier Part Number 1=311-470LRCT-ND, Temperature Coefficient=100ppm/°C, Voltage Rating=50V, Case Code (Imperial)=0402, Construction=Rectangular, Depth=0.5mm, Features="Moisture Resistant", Height=0.016inch, Lead Free="Lead Free", Length=1mm, Manufacturer 1=Yageo, Military Standard=Not, Number of Terminations=2, Packaging="Tape and Reel", Part Description="470 Ohms ±1% 0.063W, 1/16W Chip Resistor 0402 (1005 Metric) Moisture Resistant Thick Film", Pricing 1="1=0,10000, 10=0,01600, 100=0,00660, 1000=0,00299, 2500=0,00259, 5000=0,00214 (USD)", REACH SVHC=Unknown, RoHS=Yes, RoHS Compliant=Yes, Series=RC, Size Code=0402, Stock 1=1652476, Supplier 1=Digi-Key, Termination=SMD/SMT, Tolerance=1%, Width=0.02inch
R29 R34: library part Res_0402, Case/Package=0402, Case Code (Metric)=1005, Manufacturer=Yageo, Manufacturer Part Number 1=RC0402FR-07220RL, Max Operating Temperature=155°C, Max Power Dissipation=63mW, Min Operating Temperature=-55°C, Package Quantity=1, Power Rating=62.5mW, Resistance=220R, Resistance Tolerance=1%, Resistor Type="Thick Film", Supplier Part Number 1=311-220LRCT-ND, Temperature Coefficient=100ppm/°C, Voltage Rating=50V, Case Code (Imperial)=0402, ComponentLink1Description=https://datasheet.ciiva.com/11819/0900766b80c66297-11819466.pdf?src-supplier=RSComponents, ComponentLink1URL=https://datasheet.ciiva.com/11819/0900766b80c66297-11819466.pdf?src-supplier=RSComponents, ComponentLink2Description=https://datasheet.ciiva.com/2453/pyu-r-int-thick-7-2453461.pdf?src-supplier=Digi-Key, ComponentLink2URL=https://datasheet.ciiva.com/2453/pyu-r-int-thick-7-2453461.pdf?src-supplier=Digi-Key, ComponentLink3Description=https://datasheet.ciiva.com/2453/pyu-r-int-thick-7-2453462.pdf?src-supplier=Digi-Key, ComponentLink3URL=https://datasheet.ciiva.com/2453/pyu-r-int-thick-7-2453462.pdf?src-supplier=Digi-Key, ComponentLink4Description=https://datasheet.ciiva.com/2453/pyu-r-int-thick-7-2453460.pdf?src-supplier=Digi-Key, ComponentLink4URL=https://datasheet.ciiva.com/2453/pyu-r-int-thick-7-2453460.pdf?src-supplier=Digi-Key, ComponentLink5Description=https://datasheet.ciiva.com/16746/pyu-rc0402-51-rohs-l-6-r-16746831.pdf?src-supplier=Future+Electronics, ComponentLink5URL=https://datasheet.ciiva.com/16746/pyu-rc0402-51-rohs-l-6-r-16746831.pdf?src-supplier=Future+Electronics, Construction=Rectangular, Depth=0.5mm, Features="Moisture Resistant", Height=0.016inch, Lead Free="Lead Free", Length=1mm, Military Standard=Not, Number of Pins=2, Number of Terminations=2, Packaging="Tape and Reel", Part Description="220 Ohms ±1% 0.063W, 1/16W Chip Resistor 0402 (1005 Metric) Moisture Resistant Thick Film", Pricing 1="1=0,10000, 10=0,01500, 100=0,00610, 1000=0,00275, 2500=0,00239, 5000=0,00197 (USD)", REACH SVHC="No SVHC", RoHS=Yes, RoHS Compliant=Yes, Series=RC, Size Code=0402, Stock 1=2362142, Supplier 1=Digi-Key, Technology="THICK FILM", Termination=SMD/SMT, Tolerance=1%, Voltage Rating (DC)=50V, Width=0.02inch
R30 R32: library part Res_0402, Manufacturer="Stackpole Electronics Inc.", Manufacturer Part Number 1=RMCF0402FT100R, Operating Temperature="-55°C ~ 155°C", Package / Case="0402 (1005 Metric)", Power (Watts)="0.063W, 1/16W", Resistance (Ohms)=100, Supplier Device Package=0402, Supplier Part Number 1=RMCF0402FT100RDKR-ND, Temperature Coefficient=±100ppm/°C, Tolerance=±1%, Category=Resistors, Composition="Thick Film", Features=-, Height="0.016\" (0.40mm)", Number of Terminations=2, Packaging=Digi-Reel®, Part Description="RES SMD 100 OHM 1% 1/16W 0402", RoHS="RoHS Compliant", Size / Dimension="0.039\" L x 0.020\" W (1.00mm x 0.50mm)", Supplier 1=Digi-Key
R46 R153 R163 R246: library part Res_0402, Manufacturer="Vishay Dale", Manufacturer Part Number 1=CRCW04023K00FKED, Operating Temperature="-55°C ~ 155°C", Package / Case="0402 (1005 Metric)", Power (Watts)="0.063W, 1/16W", Resistance (Ohms)=3k, Supplier Part Number 1=541-3.00KLCT-ND, Temperature Coefficient=±100ppm/°C, Tolerance=±1%, Category=Resistors, Composition="Thick Film", Features="Automotive AEC-Q200", Height="0.016\" (0.40mm)", Number of Terminations=2, Packaging="Cut Tape (CT)", Part Description="RES SMD 3K OHM 1% 1/16W 0402", RoHS="RoHS Compliant", Size / Dimension="0.039\" L x 0.020\" W (1.00mm x 0.50mm)", Supplier 1=Digi-Key, Supplier Device Package="0402 (1005 Metric)"
  R163: Assembly Info=NF
R47 R209 R241: library part Res_0402, Manufacturer=Yageo, Manufacturer Part Number 1=RC0402FR-0722KL, Operating Temperature="-55°C ~ 155°C", Package / Case="0402 (1005 Metric)", Power (Watts)="0.063W, 1/16W", Resistance (Ohms)=22k, Supplier Device Package=0402, Supplier Part Number 1=311-22.0KLRCT-ND, Temperature Coefficient=±100ppm/°C, Tolerance=±1%, Category=Resistors, Composition="Thick Film", Features="Moisture Resistant", Height="0.016\" (0.40mm)", Number of Terminations=2, Packaging="Cut Tape (CT)", Part Description="RES SMD 22K OHM 1% 1/16W 0402", RoHS="RoHS Compliant", Size / Dimension="0.039\" L x 0.020\" W (1.00mm x 0.50mm)", Supplier 1=Digi-Key
R61 R62 R63 R64 R65 R66 R250: library part Res_0402, Manufacturer=Yageo, Manufacturer Part Number 1=RC0402FR-071K6L, Operating Temperature="-55°C ~ 155°C", Package / Case="0402 (1005 Metric)", Power (Watts)="0.063W, 1/16W", Supplier Device Package=0402, Supplier Part Number 1=YAG3045CT-ND, Temperature Coefficient=±100ppm/°C, Tolerance=±1%, Category=Resistors, Composition="Thick Film", Failure Rate=-, Features="Moisture Resistant", Height - Seated (Max)="0.016\" (0.40mm)", Packaging="Cut Tape (CT)", Part Description="1.6 kOhms ±1% 0.063W, 1/16W Chip Resistor 0402 (1005 Metric) Moisture Resistant Thick Film", Part Status=Active, RoHS="RoHS Compliant", Size / Dimension="0.039\" L x 0.020\" W (1.00mm x 0.50mm)", Supplier 1=Digi-Key
R71 R74 R77 R78 R79 R80 R83 R84 R86 R87 R92 R161: library part Res_0402, Case/Package=0402, Case Code (Metric)=1005, Manufacturer=Yageo, Manufacturer Part Number 1=RC0402FR-07330RL, Max Operating Temperature=155°C, Max Power Dissipation=63mW, Min Operating Temperature=-55°C, Package Quantity=1, Power Rating=62.5mW, Resistance=330R, Resistance Tolerance=1%, Resistor Type="Thick Film", Supplier Part Number 1=311-330LRCT-ND, Temperature Coefficient=100ppm/°C, Voltage Rating=50V, Case Code (Imperial)=0402, ComponentLink1Description=http://www.farnell.com/datasheets/2167052.pdf?src-supplier=Farnell, ComponentLink1URL=http://www.farnell.com/datasheets/2167052.pdf?src-supplier=Farnell, ComponentLink2Description=http://www.farnell.com/datasheets/2167052.pdf?src-supplier=Newark, ComponentLink2URL=http://www.farnell.com/datasheets/2167052.pdf?src-supplier=Newark, ComponentLink3Description=http://www.farnell.com/datasheets/1018594.pdf?src-supplier=Element14, ComponentLink3URL=http://www.farnell.com/datasheets/1018594.pdf?src-supplier=Element14, Construction=Rectangular, Depth=0.5mm, Features="Moisture Resistant", Height=0.016inch, Lead Free="Lead Free", Length=0.039inch, Military Standard=Not, Number of Terminations=2, Packaging="Tape and Reel", Part Description="330 Ohms ±1% 0.063W, 1/16W Chip Resistor 0402 (1005 Metric) Moisture Resistant Thick Film", Pricing 1="1=0,10000, 10=0,01500, 100=0,00610, 1000=0,00275, 2500=0,00239, 5000=0,00197 (USD)", REACH SVHC=Unknown, RoHS=Yes, RoHS Compliant=Yes, Series=RC, Size Code=0402, Stock 1=7298585, Supplier 1=Digi-Key, Technology="THICK FILM", Termination=SMD/SMT, Tolerance=1%, Width=0.02inch
R88 R89 R204: library part Res_0402, Manufacturer="TE Connectivity", Manufacturer Part Number 1=CRGCQ0402F470K, Supplier Part Number 1=A129659CT-ND, ComponentLink1Description=http://www.yageo.com/documents/recent/PYu-RC_Group_51_RoHS_L_9.pdf, ComponentLink1URL=http://www.yageo.com/documents/recent/PYu-RC_Group_51_RoHS_L_9.pdf, ComponentLink2Description=http://www.yageo.com/documents/recent/PYu-RC_Group_51_RoHS_L_10.pdf, ComponentLink2URL=http://www.yageo.com/documents/recent/PYu-RC_Group_51_RoHS_L_10.pdf, ComponentLink3Description=http://www.mouser.com/ds/2/447/PYu-RC0402_51_RoHS_L_6_r-8721.pdf, ComponentLink3URL=http://www.mouser.com/ds/2/447/PYu-RC0402_51_RoHS_L_6_r-8721.pdf, ComponentLink4Description=http://www.yageo.com/documents/recent/PYu-RC0402_51_RoHS_L_6.pdf, ComponentLink4URL=http://www.yageo.com/documents/recent/PYu-RC0402_51_RoHS_L_6.pdf, ComponentLink5Description=http://www.yageo.com/documents/recent/PYu-RC0402_51_RoHS_L_6_r.pdf, ComponentLink5URL=http://www.yageo.com/documents/recent/PYu-RC0402_51_RoHS_L_6_r.pdf, ComponentLink6Description=https://www.te.com/commerce/DocumentDelivery/DDEController?Action=srchrtrv&DocNm=1773204-3&DocType=DS&DocLang=English&src-supplier=Digi-Key, ComponentLink6URL=https://www.te.com/commerce/DocumentDelivery/DDEController?Action=srchrtrv&DocNm=1773204-3&DocType=DS&DocLang=English&src-supplier=Digi-Key, ComponentLink7Description=https://www.te.com/commerce/DocumentDelivery/DDEController?Action=srchrtrv&amp;DocNm=1773204-3&amp;DocType=DS&amp;DocLang=English&src-supplier=Digi-Key, ComponentLink7URL=https://www.te.com/commerce/DocumentDelivery/DDEController?Action=srchrtrv&amp;DocNm=1773204-3&amp;DocType=DS&amp;DocLang=English&src-supplier=Digi-Key, ComponentLink8Description=https://4donline.ihs.com/images/VipMasterIC/IC/TYEL/TYEL-S-A0004929575/TYEL-S-A0004929575-1.pdf?hkey=52A5661711E402568146F3353EA87419&src-supplier=Newark, ComponentLink8URL=https://4donline.ihs.com/images/VipMasterIC/IC/TYEL/TYEL-S-A0004929575/TYEL-S-A0004929575-1.pdf?hkey=52A5661711E402568146F3353EA87419&src-supplier=Newark, ComponentLink9Description=https://4donline.ihs.com/images/VipMasterIC/IC/TYEL/TYEL-S-A0004929575/TYEL-S-A0004929575-1.pdf?hkey=52A5661711E402568146F3353EA87419&src-supplier=Farnell, ComponentLink9URL=https://4donline.ihs.com/images/VipMasterIC/IC/TYEL/TYEL-S-A0004929575/TYEL-S-A0004929575-1.pdf?hkey=52A5661711E402568146F3353EA87419&src-supplier=Farnell, Part Description="470 kOhms ±1% 0.063W, 1/16W Chip Resistor 0402 (1005 Metric) Automotive AEC-Q200, Moisture Resistant Thick Film", Pricing 1="1=0,10000, 10=0,02600, 100=0,01070, 1000=0,00478, 2500=0,00415, 5000=0,00343 (USD)", RoHS=Yes, Stock 1=428220, Supplier 1=Digi-Key